# Altium PCB NFC_EEG.PcbDoc (part 3 of 3) (continued)
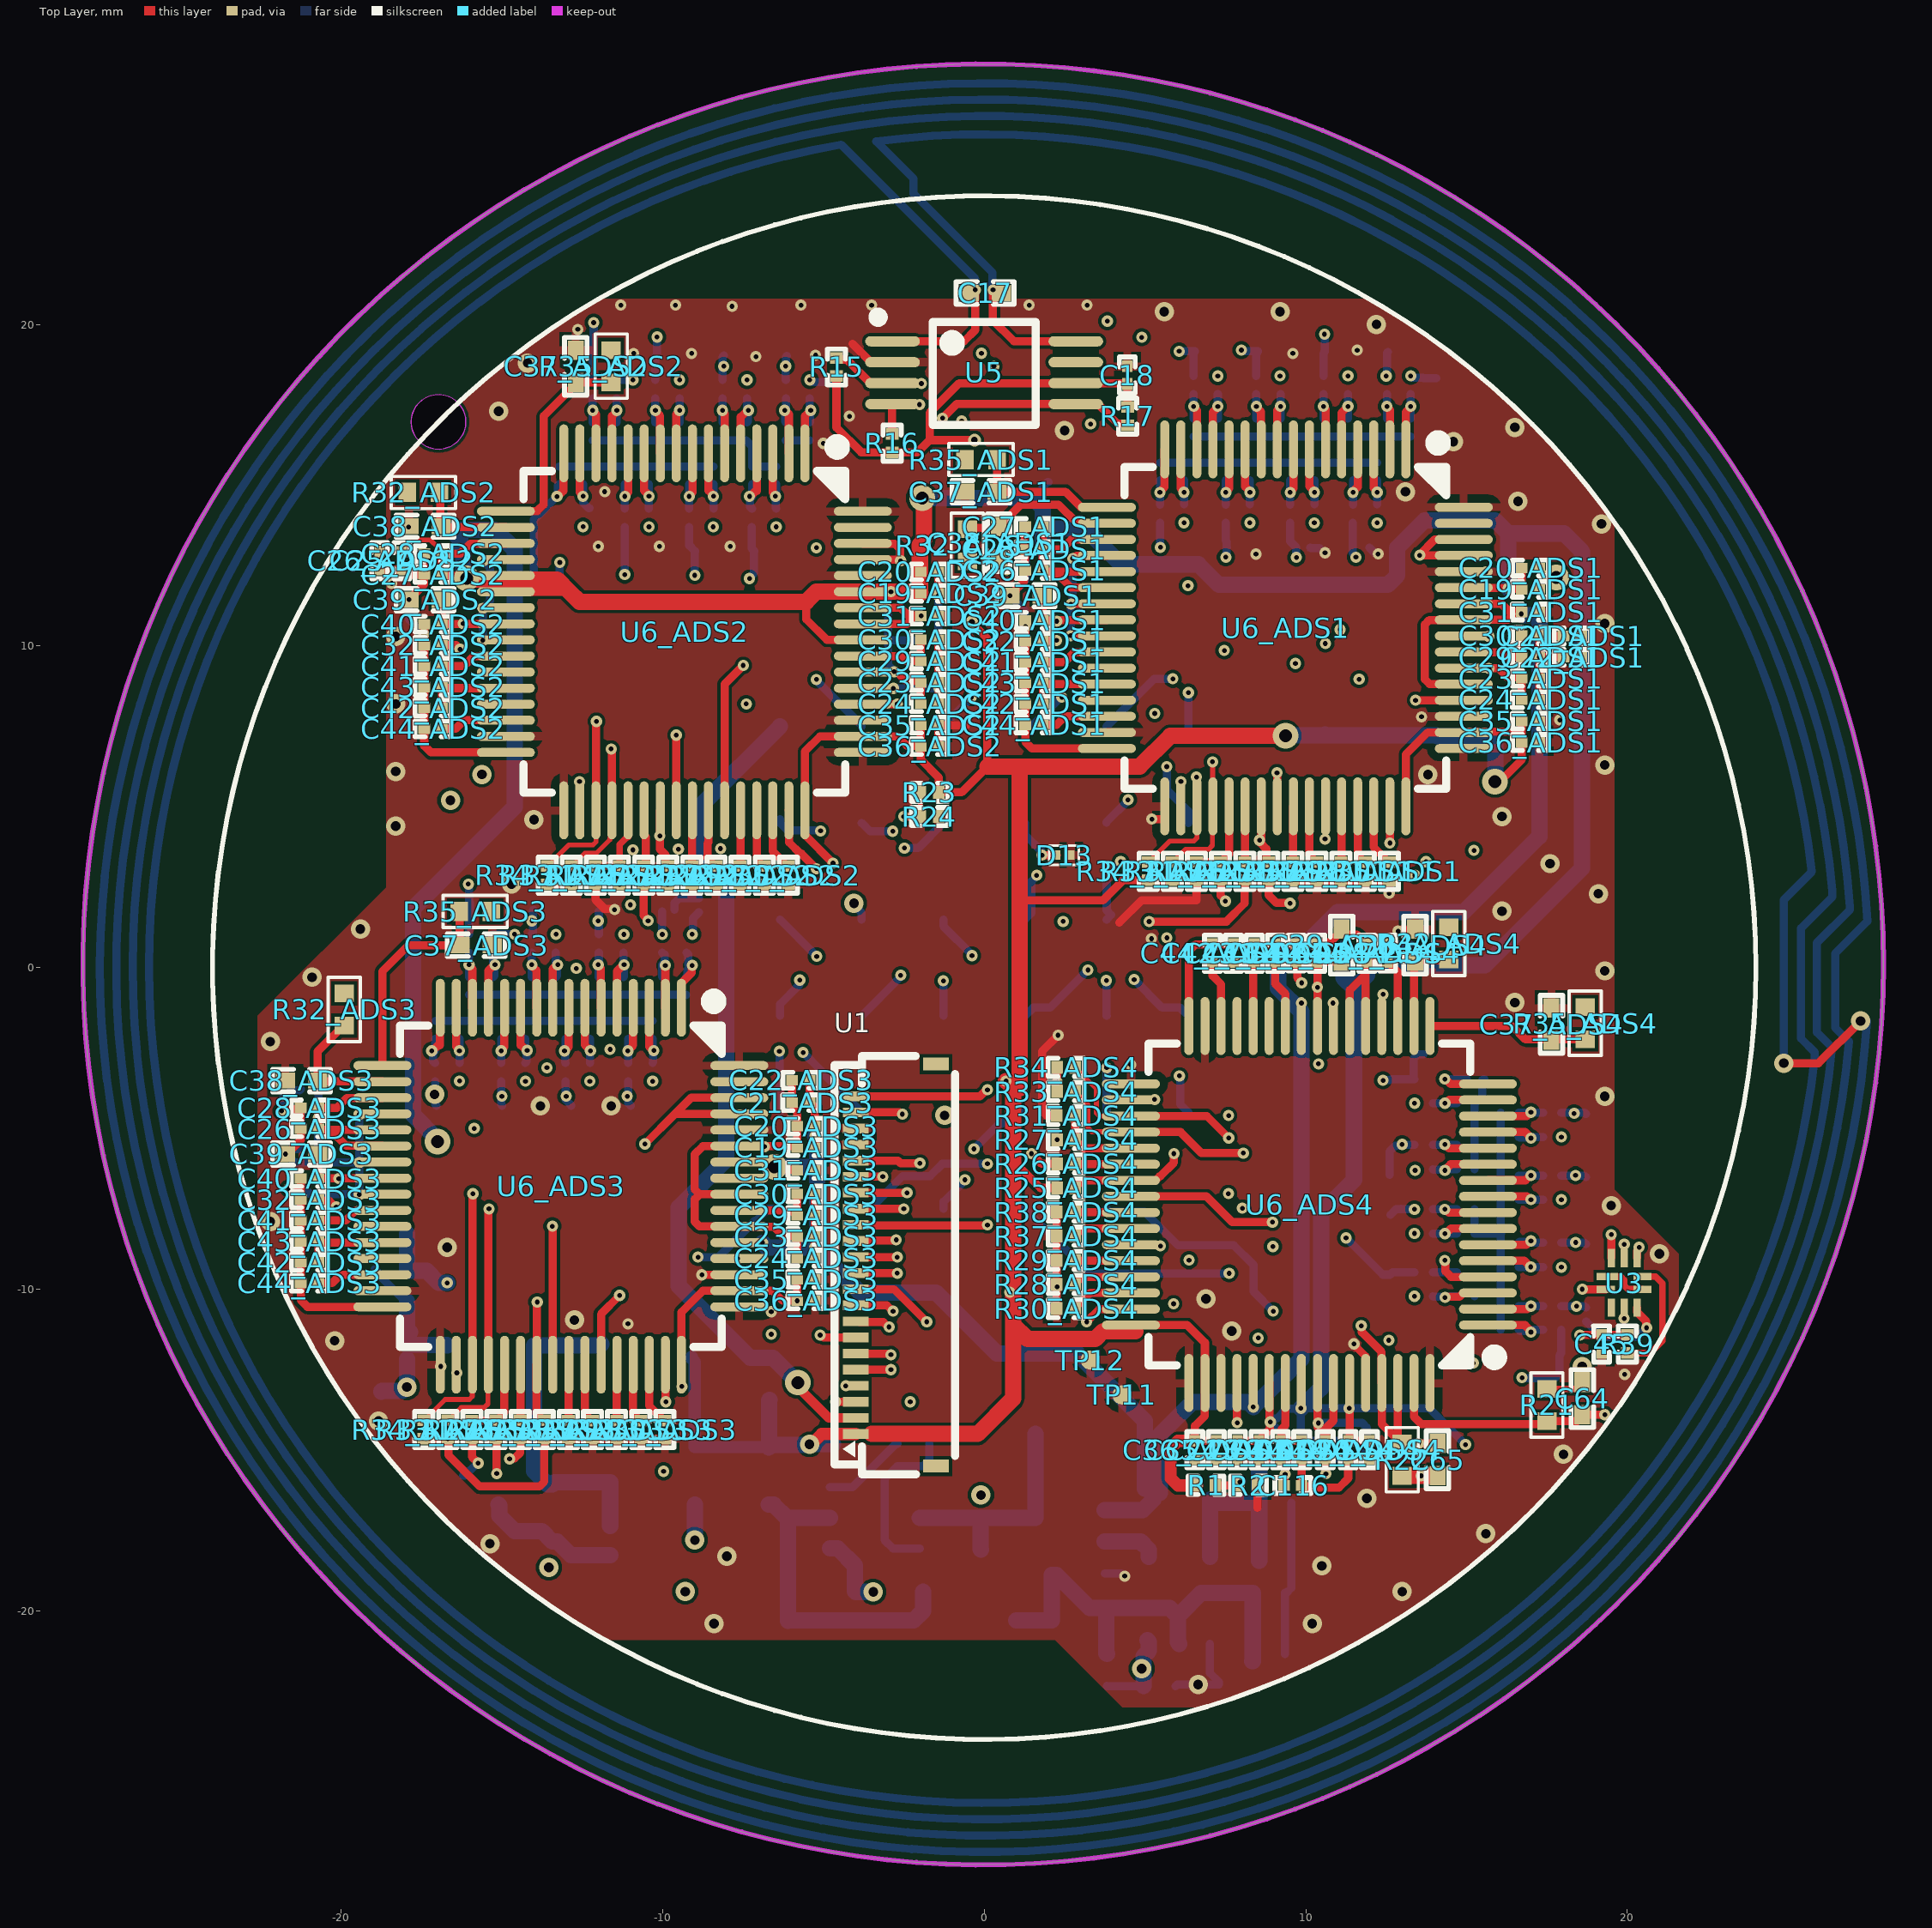
[diagram p0: Top Layer view]
## Nets (pads, with @x,y where several pads share a name; then routed paths per layer and width w, separated by ;. In a path a pad name is that pad's centre, name@x,y a point inside that pad or via, vN(x,y) a via of type N, cw(c..) or ccw(c..) an arc to the next point about the centre after c; other vN are vias at no path point) (continued)
  signal1 w0.254: v1(14.969,-14.831) 15.398,-14.831 17.463,-12.766 17.463,-10.412 19.482,-8.394 19.482,-8.318 v1(19.5,-8.3)
  signal1 w0.508: v3(-17.005,-5.413) -17.9,-6.307 -17.9,-9.6 -13.538,-13.962 v2(-13.538,-18.65)
  signal2 w0.254: v1(-20.71,-4.673) -20.095,-5.289 -17.111,-5.289 -16.435,-5.965 -10.065,-5.965 -9.665,-5.565 v1(-6.835,-5.565) ; v1(15.7,9.3) v1(15.7,10.3) 18.262,10.3 18.568,9.994 v1(18.594,9.994)
  Bottom Layer w0.254: C27_ADS3.1@-20.715,-5.602 -20.711,-5.598 -20.711,-5.015 C33_ADS3.1@-20.707,-5.011 C34_ADS3.1@-20.707,-4.361 -20.705,-4.359 -20.705,-3.781 C25_ADS3.1@-20.702,-3.779 ; C34_ADS2.1@-16.866,12.876 C33_ADS2.1@-16.866,12.226 -16.831,12.191 -16.191,12.191 v3(-16.1,12.1) ; v1@-2.99,11.676 -2.99,10.176 ; v1(-2.8,9.2) -2.8,9.226 -2.99,9.416 -2.99,10.176 ; C22_ADS2.1@-1.974,9.524 C21_ADS2.1@-1.974,10.188 -1.98,10.182 -2.984,10.182 -2.99,10.176 ; v1@1.823,12.35 v1(1.821,12.352) 1.821,14.304 1.821,14.956 1.825,14.956 1.974,15.105 C33_ADS1.1@1.996,15.105 ; v1@1.824,12.35 1.824,13 ; v1(8.9,-14.126) 9.359,-14.585 v1(9.359,-15.753) ; v1@8.926,-14.108 8.944,-14.108 9.032,-14.02 9.099,-14.02 9.401,-13.718 9.832,-13.718 v1(9.85,-13.7) ; C21_ADS4.1@11.362,-14.716 C22_ADS4.1@10.698,-14.716 10.116,-14.716 9.85,-14.45 v1(9.85,-13.7) ; v1(14.969,-14.831) 13.837,-13.7 v1(11.35,-13.7) v1(9.85,-13.7)
  Bottom Layer w0.508: v3(-17.005,-5.413) -17.005,-5.334 -17.761,-4.578 -17.761,1.839 -14.6,5 -14.6,13 -15.209,13.609 -16.598,13.609 -16.3,13.312 -16.3,13 -16.205,12.905 v3@-16.205,12.411 ; TP10.1@-15.101,-16.7 -15.083,-16.717 -15.083,-17.039 -14.602,-17.52 -13.757,-17.52 L4.2@-13.431,-17.846 -13.276,-17.846 -12.856,-18.266 C109.1@-11.631,-18.266 ; v3(-1.933,14.598) 1.527,14.598 1.821,14.304 1.824,14.301 1.824,13.651 ; 1.824,13 1.824,13.651 ; v1(9.85,-13.7) 10.476,-13.074 10.476,-7.624 11.5,-6.6 11.5,-0.642 ; C34_ADS4.1@11.171,0.189 11.171,-0.313 11.5,-0.642 ; v1(16.3,11.8) 16.3,13.5 ; 1.824,13.651 3.149,13.651 4.261,12.539 6.661,12.539 7.3,11.9 12.546,11.9 12.844,12.198 12.844,13.056 13.7,13.912 15.888,13.912 16.3,13.5 ; 11.5,-0.642 11.904,-0.238 11.904,0.079 15.579,0.079 18.594,3.094 18.594,12.939 18.032,13.5 16.3,13.5
AVSS: C19_ADS1.2 C19_ADS2.2 C19_ADS3.2 C19_ADS4.2 C20_ADS1.2 C20_ADS2.2 C20_ADS3.2 C20_ADS4.2 C21_ADS1.2 C21_ADS2.2 C21_ADS3.2 C21_ADS4.2 C22_ADS1.2 C22_ADS2.2 C22_ADS3.2 C22_ADS4.2 C23_ADS1.2 C23_ADS2.2 C23_ADS3.2 C23_ADS4.2 C24_ADS1.2 C24_ADS2.2 C24_ADS3.2 C24_ADS4.2 C25_ADS1.2 C25_ADS2.2 C25_ADS3.2 C25_ADS4.2 C26_ADS1.2 C26_ADS2.2 C26_ADS3.2 C26_ADS4.2 C27_ADS1.2 C27_ADS2.2 C27_ADS3.2 C27_ADS4.2 C28_ADS1.2 C28_ADS2.2 C28_ADS3.2 C28_ADS4.2 C29_ADS1.2 C29_ADS2.2 C29_ADS3.2 C29_ADS4.2 C30_ADS1.2 C30_ADS2.2 C30_ADS3.2 C30_ADS4.2 C31_ADS1.1 C31_ADS2.1 C31_ADS3.1 C31_ADS4.1 C32_ADS1.1 C32_ADS2.1 C32_ADS3.1 C32_ADS4.1 C39_ADS1.2 C39_ADS2.2 C39_ADS3.2 C39_ADS4.2 C40_ADS1.2 C40_ADS2.2 C40_ADS3.2 C40_ADS4.2 C41_ADS1.2 C41_ADS2.2 C41_ADS3.2 C41_ADS4.2 C42_ADS1.2 C42_ADS2.2 C42_ADS3.2 C42_ADS4.2 C43_ADS1.2 C43_ADS2.2 C43_ADS3.2 C43_ADS4.2 C44_ADS1.2 C44_ADS2.2 C44_ADS3.2 C44_ADS4.2 C115.1 C116.2 L5.2 TP15.1 U6_ADS1.20 U6_ADS1.23 U6_ADS1.25 U6_ADS1.32 U6_ADS1.53 U6_ADS1.57 U6_ADS1.58 U6_ADS2.20 U6_ADS2.23 U6_ADS2.25 U6_ADS2.32 U6_ADS2.53 U6_ADS2.57 U6_ADS2.58 U6_ADS3.20 U6_ADS3.23 U6_ADS3.25 U6_ADS3.32 U6_ADS3.53 U6_ADS3.57 U6_ADS3.58 U6_ADS4.20 U6_ADS4.23 U6_ADS4.25 U6_ADS4.32 U6_ADS4.53 U6_ADS4.57 U6_ADS4.58 | length 209.4
  Top Layer w0.254: v1(-21.852,-4.459) -21.826,-4.459 -21.763,-4.396 -21.294,-4.396 C28_ADS3.2@-21.259,-4.361 C26_ADS3.2@-21.259,-5.011 ; v1(-21.732,-5.796) -21.682,-5.796 -21.244,-5.357 C26_ADS3.2@-21.244,-5.026 ; v1(-21.625,-6.866) -21.255,-6.866 ; C40_ADS3.2@-21.255,-6.561 -21.255,-6.866 ; C26_ADS2.2@-18.804,12.381 C25_ADS2.2@-18.109,12.38 ; U6_ADS3.32@-18.716,-10.546 -21.046,-10.546 -21.255,-10.337 C44_ADS3.2@-21.255,-9.811 C43_ADS3.2@-21.255,-8.511 C41_ADS3.2@-21.255,-7.861 -21.255,-6.866 ; C25_ADS2.2@-18.062,12.427 -17.861,12.226 C27_ADS2.2@-17.417,12.226 ; C39_ADS2.2@-17.718,11.564 -17.718,11.614 -17.417,11.915 C27_ADS2.2@-17.417,12.226 ; C28_ADS2.2@-17.417,12.876 -17.416,12.874 -17.417,12.873 C27_ADS2.2@-17.417,12.226 ; C40_ADS2.2@-17.414,10.676 C41_ADS2.2@-17.414,9.376 C43_ADS2.2@-17.414,8.726 C44_ADS2.2@-17.414,7.426 -17.414,6.9 -17.204,6.691 U6_ADS2.32@-14.875,6.691 ; v3@-6.213,-6.286 -6.009,-6.286 ; C22_ADS3.2@-5.426,-3.5 C21_ADS3.2@-5.426,-4.2 -5.403,-4.2 -5.267,-4.337 C20_ADS3.2@-5.267,-4.931 v1@-5.267,-5.234 ; C23_ADS3.2@-5.27,-8.366 C30_ADS3.2@-5.27,-7.041 ; v1(-5.267,-8.704) C23_ADS3.2@-5.267,-8.366 ; C19_ADS3.2@-5.267,-5.595 -5.262,-5.59 -5.262,-5.239 v1(-5.257,-5.234) ; U6_ADS2.57@-3.775,10.691 -2.407,10.691 -2.163,10.934 ; U6_ADS2.58@-3.775,11.191 -2.604,11.191 -2.368,10.954 -2.163,10.954 ; C24_ADS2.2@-1.425,8.207 -1.415,8.218 -1.415,8.686 v1(-1.404,8.697) -1.415,8.707 -1.415,8.861 C23_ADS2.2@-1.425,8.872 C29_ADS2.2@-1.425,9.536 C30_ADS2.2@-1.425,10.2 ; C19_ADS2.2@-1.425,11.642 C20_ADS2.2@-1.425,12.306 ; C39_ADS1.2@0.972,11.688 0.972,11.738 1.239,12.006 1.239,12.317 1.274,12.352 C28_ADS1.2@1.274,12.998 ; C28_ADS1.2@1.272,13 1.274,13.002 1.274,13.71 C27_ADS1.2@1.276,13.712 ; v1@1.279,10.573 1.279,10.153 C32_ADS1.1@1.276,10.15 C41_ADS1.2@1.276,9.5 C43_ADS1.2@1.276,8.85 C44_ADS1.2@1.276,7.55 1.276,7.024 1.485,6.815 U6_ADS1.32@3.815,6.815 ; v1(2.689,10.323) 2.693,10.319 3.811,10.319 U6_ADS1.25@3.815,10.315 ; v1(2.7,11.304) 2.706,11.31 3.81,11.31 U6_ADS1.23@3.815,11.315 ; v1(2.753,12.721) 2.779,12.721 2.867,12.81 3.81,12.81 U6_ADS1.20@3.815,12.815 ; U6_ADS4.32@6.365,-1.815 6.365,0.515 6.574,0.724 C44_ADS4.2@7.1,0.724 C43_ADS4.2@8.4,0.724 C41_ADS4.2@9.05,0.724 C32_ADS4.1@9.7,0.724 ; C24_ADS4.2@7.881,-15.264 C23_ADS4.2@8.545,-15.264 C29_ADS4.2@9.21,-15.264 C30_ADS4.2@9.874,-15.264 ; C32_ADS4.1@9.711,0.735 9.722,0.724 v1@10.018,0.724 ; C30_ADS4.2@9.874,-15.264 C116.2@9.874,-16.1 9.909,-16.135 10.047,-16.135 10.08,-16.168 11.032,-16.168 11.32,-15.88 11.32,-15.268 11.645,-15.268 v1(11.649,-15.272) ; v1(10.018,0.759) 10.035,0.742 C40_ADS4.2@10.332,0.742 ; v1@10.365,-14.283 10.608,-14.526 ; v1@10.365,-14.16 U6_ADS4.57@10.365,-12.915 ; C40_ADS4.2@10.385,0.782 10.745,0.782 11.115,1.151 C39_ADS4.2@11.115,1.201 ; 10.628,-14.526 10.628,-14.322 10.865,-14.085 U6_ADS4.58@10.865,-12.915 ; C39_ADS4.2@11.238,1.028 11.599,1.028 11.843,0.785 11.865,0.785 11.9,0.75 11.9,0.728 11.902,0.726 12.548,0.726 C28_ADS4.2@12.55,0.724 ; U6_ADS1.53@14.915,8.815 14.91,8.82 13.849,8.82 13.7,8.968 13.7,10.666 13.844,10.81 14.91,10.81 U6_ADS1.57@14.915,10.815 16.283,10.815 16.526,11.058 ; U6_ADS1.58@14.915,11.315 16.085,11.315 16.322,11.078 16.526,11.078 ; C24_ADS1.2@17.264,8.331 C23_ADS1.2@17.264,8.995 v1(17.264,9.66) ; C22_ADS1.2@18.016,9.648 18.01,9.654 17.27,9.654 v1(17.264,9.66) ; C21_ADS1.2@18.016,10.312 18.01,10.318 17.27,10.318 C30_ADS1.2@17.264,10.324 v1(17.264,9.66)
  signal1 w0.254: v1(8.369,-13.665) 9.065,-13.665 9.56,-14.16 v1(10.389,-14.16)
  signal2 w0.254: v1(9.866,-1.1) v1(10.85,-1.1) 12.108,-1.1 12.378,-0.83 v1(12.404,-0.83)
  signal2 w0.508: v1(-19.431,-6.061) -18.992,-6.5 -9.1,-6.5 -8.802,-6.202 v3(-6.522,-6.202) ; v1(-17.891,11.441) -17.68,11.231 -15.98,11.231 -15.926,11.176 v1(-15.59,11.176) -13.042,11.176 -12.8,10.934 v1(-1.963,10.934) -1.594,11.304 v1(2.7,11.304) 2.704,11.3 11.7,11.3 11.9,11.1 16.756,11.1 v3(17.79,12.133)
  Bottom Layer w0.254: v1(-21.852,-4.459) -21.834,-4.441 -21.834,-4.085 -21.563,-3.814 -21.286,-3.814 C25_ADS3.2@-21.251,-3.779 ; v1(-21.732,-5.796) v1@-21.706,-5.796 ; v1(-21.625,-6.866) -21.606,-6.885 -21.118,-6.885 -20.964,-7.039 -19.521,-7.039 -19.517,-7.043 -19.449,-7.043 v1(-19.431,-7.061) v1(-19.431,-6.061) ; C27_ADS3.2@-21.264,-5.602 -21.299,-5.637 -21.548,-5.637 v1@-21.706,-5.796 ; v1(-19.431,-4.561) v1(-19.431,-6.061) ; v1(-17.891,11.441) -17.891,10.833 v1(-17.429,10.371) ; v1(-15.59,10.176) v1(-15.59,11.176) -15.361,11.404 -15.361,12.422 -15.569,12.63 v1(-15.569,12.656) ; v1(-2.824,8.683) -2.817,8.69 -1.411,8.69 v1(-1.404,8.697) -1.415,8.707 -1.415,9.514 C22_ADS2.2@-1.425,9.524 C21_ADS2.2@-1.425,10.188 v1@-1.426,11.523 ; v1@-1.444,11.549 v1(-1.426,11.567) ; v1(1.281,10.604) 1.263,10.622 1.263,11.101 v1(0.799,11.565) 1.299,12.066 C25_ADS1.2@1.299,12.672 ; v1(2.689,10.323) 2.695,10.329 v1@2.695,11.295 ; v1@2.753,11.379 v1(2.753,12.721) ; v1(10.389,-14.16) 11.76,-14.16 11.9,-14.3 11.9,-14.995 11.649,-15.246 v1(11.649,-15.272) ; C22_ADS4.2@10.698,-15.264 C21_ADS4.2@11.362,-15.264 ; C25_ADS4.2@12.519,0.726 12.521,0.724 13.249,0.724 C27_ADS4.2@13.251,0.721 ; v1@-21.706,-5.796 -21.441,-6.061 v1(-19.431,-6.061)
  Bottom Layer w0.508: v1(-6.891,-8.555) -6.743,-8.704 v1(-5.267,-8.704) ; v3(-6.522,-6.202) -5.292,-6.202 -5.194,-6.3 ; v1(-5.257,-5.234) -5.194,-5.297 -5.194,-6.3 ; C115.1@3.744,-16.866 4.936,-16.866 L5.2@5.262,-16.54 ; L5.2@5,-16.2 5,-14.1 2.9,-12 0.4,-12 -1.5,-10.1 -3.87,-10.1 v1(-5.267,-8.704) ; TP15.1@5.234,-14.703 TP15.1@5.262,-14.73 ; L5.2@5.462,-16.34 5.462,-14.53 6.489,-13.503 8.208,-13.503 v1(8.369,-13.665) ; v1(8.369,-13.665) 9.866,-12.168 9.866,-1.366 9.139,-0.639 9.139,0.339 9.559,0.759 v1(10.018,0.759) 10.981,1.723 14.905,1.723 17.264,4.082 v1(17.264,9.66) 17.264,10.962 16.738,10.962 v1(16.7,11) ; v1(-5.267,-8.704) -5.194,-8.631 -5.194,-6.3
  other v1: 12.527,0.718
GND: C18.2 C31_ADS1.2 C31_ADS2.2 C31_ADS3.2 C31_ADS4.2 C32_ADS1.2 C32_ADS2.2 C32_ADS3.2 C32_ADS4.2 C33_ADS1.2 C33_ADS2.2 C33_ADS3.2 C33_ADS4.2 C34_ADS1.2 C34_ADS2.2 C34_ADS3.2 C34_ADS4.2 C35_ADS1.2 C35_ADS2.2 C35_ADS3.2 C35_ADS4.2 C36_ADS1.2 C36_ADS2.2 C36_ADS3.2 C36_ADS4.2 C37_ADS1.2 C37_ADS2.2 C37_ADS3.2 C37_ADS4.2 C38_ADS1.2 C38_ADS2.2 C38_ADS3.2 C38_ADS4.2 C45.1 C46_ADS1.1 C46_ADS2.1 C46_ADS3.1 C46_ADS4.1 C47_ADS1.2 C47_ADS2.2 C47_ADS3.2 C47_ADS4.2 C48_ADS1.1 C48_ADS2.1 C48_ADS3.1 C48_ADS4.1 C49_ADS1.2 C49_ADS2.2 C49_ADS3.2 C49_ADS4.2 C50_ADS1.1 C50_ADS2.1 C50_ADS3.1 C50_ADS4.1 C51_ADS1.2 C51_ADS2.2 C51_ADS3.2 C51_ADS4.2 C52_ADS1.1 C52_ADS2.1 C52_ADS3.1 C52_ADS4.1 C53_ADS1.2 C53_ADS2.2 C53_ADS3.2 C53_ADS4.2 C54_ADS1.1 C54_ADS2.1 C54_ADS3.1 C54_ADS4.1 C55_ADS1.2 C55_ADS2.2 C55_ADS3.2 C55_ADS4.2 C56_ADS1.1 C56_ADS2.1 C56_ADS3.1 C56_ADS4.1 C57_ADS1.2 C57_ADS2.2 C57_ADS3.2 C57_ADS4.2 C58_ADS1.1 C58_ADS2.1 C58_ADS3.1 C58_ADS4.1 C59_ADS1.2 C59_ADS2.2 C59_ADS3.2 C59_ADS4.2 C60_ADS1.1 C60_ADS2.1 C60_ADS3.1 C60_ADS4.1 C61_ADS1.2 C61_ADS2.2 C61_ADS3.2 C61_ADS4.2 C96.2 C97.2 C98.2 C99.2 C100.2 C101.2 C102.2 C103.2 C104.2 C105.2 C106.2 C107.2 C108.2 C109.2 C110.2 C111.2 C112.2 C113.2 C114.2 C115.2 C117.1 D4_ADS1.2 D4_ADS2.2 D4_ADS3.2 D4_ADS4.2 D5_ADS1.2 D5_ADS2.2 D5_ADS3.2 D5_ADS4.2 D6_ADS1.2 D6_ADS2.2 D6_ADS3.2 D6_ADS4.2 D7_ADS1.2 D7_ADS2.2 D7_ADS3.2 D7_ADS4.2 D8_ADS1.2 D8_ADS2.2 D8_ADS3.2 D8_ADS4.2 D9_ADS1.2 D9_ADS2.2 D9_ADS3.2 D9_ADS4.2 D10_ADS1.2 D10_ADS2.2 D10_ADS3.2 D10_ADS4.2 D11_ADS1.2 D11_ADS2.2 D11_ADS3.2 D11_ADS4.2 D12_ADS1.2 D12_ADS2.2 D12_ADS3.2 D12_ADS4.2 D13.1 J7.36 R2.1 R4.2 R19.2 R24.1 R28_ADS1.2 R28_ADS2.2 R28_ADS3.2 R28_ADS4.2 R29_ADS1.2 R29_ADS2.2 R29_ADS3.2 R29_ADS4.2 R30_ADS1.2 R30_ADS2.2 R30_ADS3.2 R30_ADS4.2 R31_ADS1.2 R31_ADS2.2 R31_ADS3.2 R31_ADS4.2 R37_ADS1.2 R37_ADS2.2 R37_ADS3.2 R37_ADS4.2 R38_ADS1.2 R38_ADS2.2 R38_ADS3.2 R38_ADS4.2 R58.2 TP5.1 TP6.1 TP11.1 TP12.1 TP16.1 TP17.1 U1.19 U1.20 U3.5 U5.2 U6_ADS1.31 U6_ADS1.33 U6_ADS1.49 U6_ADS1.51 U6_ADS1.60 U6_ADS1.64 U6_ADS2.31 U6_ADS2.33 U6_ADS2.49 U6_ADS2.51 U6_ADS2.60 U6_ADS2.64 U6_ADS3.31 U6_ADS3.33 U6_ADS3.49 U6_ADS3.51 U6_ADS3.60 U6_ADS3.64 U6_ADS4.31 U6_ADS4.33 U6_ADS4.49 U6_ADS4.51 U6_ADS4.60 U6_ADS4.64 U17.1 U18.2 U18.4 U19.1 | length 94.6
  Top Layer w0.254: C32_ADS3.2@-20.707,-7.211 -20.672,-7.246 -20.37,-7.246 -20.174,-7.442 v1(-20.148,-7.442) ; v1(-17.9,13.7) -17.9,13.716 C38_ADS2.2@-17.89,13.726 ; C32_ADS2.2@-16.865,10.026 -16.426,10.026 v1(-16.3,9.9) ; R31_ADS3.2@-15.931,-14.651 -15.931,-15.212 v1(-15.737,-15.406) ; R38_ADS3.2@-12.931,-14.651 R37_ADS3.2@-12.181,-14.651 R29_ADS3.2@-11.431,-14.651 R28_ADS3.2@-10.681,-14.651 R30_ADS3.2@-9.931,-14.651 ; R31_ADS2.2@-12.09,2.586 -12.09,2.11 -11.801,1.822 -11.515,1.822 v1(-11.496,1.804) ; v1(-8.779,-9.552) -8.776,-9.549 -7.619,-9.549 U6_ADS3.51@-7.616,-9.546 ; -4.1,19.4 -3.525,18.825 U5.2@-2.85,18.825 ; C36_ADS2.2@-1.425,6.879 C35_ADS2.2@-1.425,7.543 -0.557,7.543 ; C32_ADS1.2@1.824,10.15 1.837,10.163 2.238,10.163 v1(2.251,10.176) ; R30_ADS4.2@2.26,-10.6 R28_ADS4.2@2.26,-9.85 ; R38_ADS4.2@2.26,-7.6 R37_ADS4.2@2.26,-8.35 R29_ADS4.2@2.26,-9.1 R28_ADS4.2@2.26,-9.85 ; R31_ADS4.2@2.26,-4.6 1.949,-4.6 1.8,-4.451 1.8,-2.6 v1(2.3,-2.1) ; v1(2.267,-9.921) 2.26,-9.914 R28_ADS4.2@2.26,-9.85 ; 4.2,1.4 4.9,2.1 6.6,2.1 R31_ADS1.2@6.6,2.71 ; v1(5.212,4.62) 5.603,4.62 5.615,4.632 U6_ADS1.33@5.615,5.015 ; C36_ADS4.2@6.553,-15.264 C35_ADS4.2@7.217,-15.264 ; 8.5,-16.8 R2.1@8.5,-16.1 ; R38_ADS1.2@9.6,2.71 R37_ADS1.2@10.35,2.71 R29_ADS1.2@11.1,2.71 R28_ADS1.2@11.85,2.71 R30_ADS1.2@12.6,2.71 ; C32_ADS4.2@9.7,0.176 9.735,0.141 9.735,-0.31 9.873,-0.448 v1(9.873,-0.474) ; C31_ADS4.2@10.608,-15.264 10.617,-15.274 10.617,-15.729 v1(10.627,-15.738) ; v1(11.5,-11.7) 11.5,-11.726 11.86,-12.086 11.86,-12.91 U6_ADS4.60@11.865,-12.915 ; v1(12.872,1.137) 12.891,1.155 13.355,1.155 C38_ADS4.2@13.4,1.2 ; U3.5@20.3,-10.569 20.3,-10.709 20.582,-10.99 20.582,-11.182 v1(20.6,-11.2)
  Bottom Layer w0.254: C33_ADS3.2@-21.255,-5.011 C34_ADS3.2@-21.255,-4.361 ; -17.976,12.876 C34_ADS2.2@-17.414,12.876 C33_ADS2.2@-17.414,12.226 ; C60_ADS3.1@-17.066,-1.66 -17.065,-1.658 -10.313,-1.658 C49_ADS3.2@-10.311,-1.657 ; v1(-16.9,-12.4) v1@-16.882,-12.382 ; -16.2,-15.8 -16.157,-15.8 -15.763,-15.406 v1(-15.737,-15.406) ; C58_ADS3.1@-16.016,-0.845 C58_ADS3.1@-16.016,-0.845 -9.268,-0.847 C47_ADS3.2@-9.266,-0.848 ; C60_ADS2.1@-13.225,15.577 C60_ADS2.1@-13.225,15.577 -8.421,15.579 C53_ADS2.2@-8.419,15.581 ; C58_ADS2.1@-12.175,16.392 -12.173,16.391 -7.399,16.391 -7.22,16.212 C48_ADS2.1@-7.22,15.577 C48_ADS2.1@-7.22,15.577 -6.472,15.579 C49_ADS2.2@-6.47,15.581 ; D4_ADS3.2@-9.626,1.804 -9.626,2.014 -9.477,2.163 D12_ADS3.2@-8.869,2.163 ; C46_ADS2.1@-6.175,16.392 -6.173,16.391 -5.427,16.391 C47_ADS2.2@-5.425,16.389 ; C117.1@3.745,-18.842 4.269,-18.842 4.346,-18.919 v1(4.372,-18.919) ; C60_ADS1.1@5.465,15.701 C60_ADS1.1@5.465,15.701 12.218,15.703 C49_ADS1.2@12.22,15.704 ; R58.2@5.952,-22.34 6.002,-22.29 7.302,-22.29 7.302,-22.212 7.02,-21.929 U19.1@7.02,-21.023 ; C58_ADS1.1@6.515,16.516 6.517,16.514 13.263,16.514 C47_ADS1.2@13.265,16.513 ; C101.2@9.352,-21.34 C110.2@9.352,-20.34 C111.2@9.352,-19.44 9.402,-19.44 9.552,-19.29 C113.2@9.552,-18.44 C112.2@9.552,-17.54 C114.2@9.552,-16.64 ; D7_ADS1.2@10.135,13.065 10.135,13.054 10.147,13.042 10.432,13.042 10.574,12.9 v1(10.6,12.9) ; C34_ADS4.2@11.171,0.738 C34_ADS4.2@11.178,0.731 ; 11.985,13.065 11.985,13.054 12.159,12.88 12.233,12.88 v1(12.251,12.862) ; v1@12.854,1.119 v1(12.872,1.137) ; C52_ADS4.1@15.251,-7.515 15.253,-7.517 15.253,-8.269 C53_ADS4.2@15.254,-8.271 16.064,-8.271 ; C49_ADS4.2@15.253,-10.218 C49_ADS4.2@15.254,-10.22 ; C57_ADS4.2@15.254,-6.265 C61_ADS4.2@15.254,-4.215 15.277,-4.215 15.494,-3.998 15.494,-3.5 15.529,-3.465 C60_ADS4.1@15.551,-3.465 ; C47_ADS4.2@16.063,-11.265 16.064,-11.263 16.064,-8.271 ; C58_ADS4.1@16.066,-4.515 16.064,-4.517 16.064,-8.271 ; 16.071,-8.271 16.064,-8.271 ; D4_ADS4.2@18.715,-11.005 18.726,-11.005 19.2,-11.479 20.321,-11.479 v1(20.6,-11.2)
  other v1: 6.929,-15.276 19.917,-12.648 -11.079,-11.075 -6.621,-10.7 4.555,-3.02 5.2,0.9 12.594,2.31 17.9,7.7 13.6,7.8 -18.424,11.946 15.6,12.3 0.704,12.372 8.451,12.859 -12,13.1 -10.1,13.1 -7.9,13.1 -11.8,14.8 -5,16.3 -4.191,17.144 -7.1,19 -5.244,19.044 -10.9,19.1 -9.1,19.1 9.6,19.1 11.6,19.2 -12.637,19.845 -7.84,20.564 -11.3,20.6 -9.6,20.6 -5.7,20.6 -3.5,20.6 1.4,20.6 3.2,20.6
  other v2: 6.652,-22.29 -8.4,-20.4 10.2,-20.4 13,-19.4 10.5,-18.6 -8,-18.3 -15.371,-17.911 15.6,-17.6 11.9,-16.5 18.015,-15.131 -18.836,-14.101 -20.2,-11.6 7.7,-11.3 -12.745,-10.957 6.9,-10.3 21,-8.9 -16.7,-8.7 -22.2,-7.9 19.5,-7.4 -13.8,-4.3 -11.6,-4.3 19.3,-4 -22.2,-2.3 16.501,-1.084 -20.9,-0.3 19.3,-0.1 -19.4,1.2 16.101,1.757 19.1,2.3 -14.7,2.6 17.594,3.235 -18.3,4.4 -14,4.6 16.1,4.7 13.8,6 -18.3,6.1 19.3,6.3 -18.3,8.2 -18.301,10.296 19.3,10.7 19.2,13.8 16.6,14.5 13.1,14.8 14.589,16.352 2.5,16.7 16.5,16.8 -15.1,17.3 -14.2,18.8 12.2,20 5.6,20.4 9.2,20.4
I2C_SCL: R15.2 U1.22 U5.3 | length 32
  Top Layer w0.254: R15.2@-4.594,18.961 -4.541,18.908 -4.273,18.908 -3.54,18.175 U5.3@-2.85,18.175 -2.844,18.169 -1.958,18.169 v1(-1.953,18.163) ; U1.22@-3.9,-4 -0.126,-4 0.074,-3.8 v1(0.1,-3.8)
  signal1 w0.254: v1(-1.953,18.163) -0.063,18.163 1.3,16.8 1.3,11.3 0.7,10.7 0.7,-2.5 0.1,-3.1 v1(0.1,-3.8)
I2C_SDA: R17.2 U1.21 U5.5 | length 30.1
  Top Layer w0.254: U1.21@-3.9,-4.5 -2.626,-4.5 -2.57,-4.556 v1(-2.544,-4.556) ; v1(-1.294,17.086) -0.856,17.525 U5.5@2.85,17.525 3.54,17.525 4.15,16.915 4.406,16.915 R17.2@4.459,16.862
  signal1 w0.254: v1(-2.544,-4.556) -2,-4.011 -2,9.4 -2.4,9.8 -2.4,11.6 -1.9,12.1 -1.9,13 -1.294,13.606 v1(-1.294,17.086) v1@-1.294,17.089
IO17: R16.2 U1.17 U5.4 | length 29.9
  Top Layer w0.254: U1.17@-4,-6.5 v1(-3.153,-6.5) ; R16.2@-2.861,16.594 -2.861,17.514 U5.4@-2.85,17.525 -2.842,17.517 -2.017,17.517 v1(-2.01,17.51)
  signal1 w0.254: v1(-3.153,-6.5) -1.8,-5.147 -1.8,-4.4 -0.813,-3.413 -0.813,-3.213 0.183,-2.217 0.183,16.983 -0.335,17.5 -2,17.5 v1(-2.01,17.51)
LM2664_OUT: C99.1 C100.1 L2.1 TP2.1 U17.2 | length 9
  Bottom Layer w0.508: TP2.1@-0.1,-18.1 -0.118,-18.082 -0.118,-17.192 -0.2,-17.11 U17.2@-2,-17.11 1.6,-17.11 C100.1@1.6,-15.4 C99.1@1.6,-14.5
LM2664_V+: C96.1 C98.1 L1.2 R18.2 TP1.1 U17.5 | length 10.2
  Bottom Layer w0.508: L1.2@-6.7,-16.7 -6.545,-16.7 L1.2@-6.135,-17.11 ; U17.5@-4.8,-17.11 L1.2@-6.135,-17.11 ; R18.2@-1.9,-19.41 -1.9,-20.002 -2.198,-20.3 -6.09,-20.3 TP1.1@-6.1,-20.31 C98.1@-6.1,-19.31 -6.1,-17.145 L1.2@-6.135,-17.11
NetC37_ADS1_1: C37_ADS1.1 R35_ADS1.1 U6_ADS1.17 | length 4.6
  Top Layer w0.254: R35_ADS1.1@0.4,15.8 C37_ADS1.1@0.4,14.8 2.524,14.8 3.005,14.32 3.81,14.32 U6_ADS1.17@3.815,14.315
NetC37_ADS2_1: C37_ADS2.1 R35_ADS2.1 U6_ADS2.17 | length 6.6
  Top Layer w0.254: U6_ADS2.17@-14.875,14.191 -14.87,14.196 -13.904,14.196 -13.7,14.4 -13.7,17.15 -12.7,18.15 C37_ADS2.1@-12.7,18.2 R35_ADS2.1@-11.6,18.2
NetC37_ADS3_1: C37_ADS3.1 R35_ADS3.1 U6_ADS3.17 | length 6.7
  Top Layer w0.254: U6_ADS3.17@-18.716,-3.046 -18.716,-0.116 -17.9,0.7 C37_ADS3.1@-16.3,0.7 -16.315,0.715 -16.315,1.735 R35_ADS3.1@-16.33,1.75
NetC37_ADS4_1: C37_ADS4.1 R35_ADS4.1 U6_ADS4.17 | length 5
  Top Layer w0.254: U6_ADS4.17@13.865,-1.815 16.415,-1.815 16.83,-2.23 R35_ADS4.1@18.69,-2.23
NetC38_ADS1_1: C38_ADS1.1 R32_ADS1.1 U6_ADS1.18 | length 4.9
  Top Layer w0.254: R32_ADS1.1@-0.525,13.633 -0.487,13.671 0.415,13.671 C38_ADS1.1@0.453,13.709 0.453,13.759 0.576,13.882 0.626,13.882 1.144,14.4 2.31,14.4 2.9,13.81 3.81,13.81 U6_ADS1.18@3.815,13.815
NetC38_ADS2_1: C38_ADS2.1 R32_ADS2.1 U6_ADS2.18 | length 3.1
  Top Layer w0.254: R32_ADS2.1@-16.94,14.776 -16.915,14.751 -16.915,13.751 C38_ADS2.1@-16.89,13.726 -16.859,13.696 -14.88,13.696 U6_ADS2.18@-14.875,13.691
NetC38_ADS3_1: C38_ADS3.1 R32_ADS3.1 U6_ADS3.18 | length 4.1
  Top Layer w0.254: R32_ADS3.1@-19.9,-1.8 -19.925,-1.8 -20.731,-2.606 C38_ADS3.1@-20.731,-3.511 -20.701,-3.541 -18.721,-3.541 U6_ADS3.18@-18.716,-3.546
NetC38_ADS4_1: C38_ADS4.1 R32_ADS4.1 U6_ADS4.18 | length 3.1
  Top Layer w0.254: U6_ADS4.18@13.365,-1.815 13.37,-1.81 13.37,0.17 C38_ADS4.1@13.4,0.2 13.425,0.225 14.425,0.225 R32_ADS4.1@14.45,0.25
NetC65_2: C65.2 R22.1 U3.2 | length 11
  Top Layer w0.254: v1(18.6,-10) U3.2@19.332,-10
  Top Layer w0.508: R22.1@13,-15.8 v1(13.588,-15.8) C65.2@14.1,-15.8
  signal1 w0.254: v1(13.588,-15.8) 15.5,-15.8 17.9,-13.4 17.9,-10.479 18.36,-10.018 18.582,-10.018 v1(18.6,-10)
NetC95_1: C95.1 U17.6 | length 2.7
  Bottom Layer w0.254: U17.6@-4.8,-16.16 -4.1,-16.16 -2.75,-14.81 C95.1@-2.7,-14.81
NetC95_2: C95.2 U17.3 | length 5.2
  Bottom Layer w0.254: U17.3@-2,-18.06 -2.84,-18.06 -3.1,-17.8 -3.1,-15.9 -2.7,-15.5 -1.9,-15.5 -1.7,-15.3 C95.2@-1.7,-14.81
NetC117_2: C117.2 U19.4 | length 1.7
  Bottom Layer w0.508: C117.2@3.745,-17.842 4.864,-17.842 5.12,-18.098 U19.4@5.12,-18.323
NetR39_1: R39.1 U3.7 | length 3.7
  Top Layer w0.203: R39.1@20,-11.985 20.715,-11.985 21.089,-11.611 21.089,-9.819 20.879,-9.608 20.477,-9.608 U3.7@20.469,-9.6
NetU6_ADS1_63: U6_ADS1.63
NetU6_ADS2_63: U6_ADS2.63
NetU6_ADS3_63: U6_ADS3.63
OUT_5V: J7.1 U1.2 | length 26.6
  Top Layer w0.3: v3@-5.896,-12.996 v3(-5.8,-12.9) ; v3@-5.8,-13.035 -4.835,-14 U1.2@-4,-14
  Bottom Layer w0.508: J7.1@-6.35,7.5 -8.8,5.05 -8.8,3.143 -8.028,2.371 -8.028,-5.981 -9.5,-7.452 -9.5,-9.906 -7.279,-12.128 -6.572,-12.128 v3(-5.8,-12.9)
PD_CTL: R3.1 R4.1 R18.1 R19.1 R57.1 R58.1 U1.18 U17.4 U18.3 U19.3 | length 52
  Top Layer w0.254: U1.18@-4,-6 -2.683,-6 -2.603,-6.08 v1(-2,-6.08)
  signal1 w0.254: v1(-16.7,-9.8) -15.822,-9.8 -11.996,-13.627 -11.996,-16.704 v2(-9.3,-19.4) ; v2(-3.45,-19.41) -3.45,-13.85 -2.3,-12.7 -2.3,-8.1 -1.9,-7.7 -1.9,-6.206 -2,-6.106 v1(-2,-6.08)
  signal2 w0.254: v2@-9.3,-19.41 v2(-3.45,-19.41) 2.51,-19.41 v2(4.9,-21.8)
  Bottom Layer w0.254: R57.1@3.82,-22.338 3.821,-22.339 4.951,-22.339 R58.1@4.952,-22.34
  Bottom Layer w0.508: R4.1@-17.95,-8.28 R3.1@-17.95,-9.38 -17.95,-9.405 -17.929,-9.426 -17.339,-9.426 -16.965,-9.8 v1(-16.7,-9.8) ; U17.4@-4.8,-18.06 -4.55,-18.06 -4.021,-18.589 -4.021,-19.389 R19.1@-4,-19.41 v2(-3.45,-19.41) ; R58.1@4.952,-22.34 4.952,-21.416 5.12,-21.248 U19.3@5.12,-21.023 5.12,-20.961 U19.3@5.074,-20.915
Switch_CTL: U3.1 U3.6 | length 1.3
  Top Layer w0.203: U3.1@19.381,-9.6 19.392,-9.611 19.792,-9.611 19.9,-9.719 19.9,-9.881 20.008,-9.989 20.458,-9.989 U3.6@20.469,-10
TLV70025_VIN: C103.1 C104.1 C105.1 L3.2 R3.2 TP7.1 U18.1 | length 18.6
  signal2 w0.508: v2(-17.953,-13.041) -17.953,-14.226 -14.379,-17.8 v2(-9,-17.8)
  Bottom Layer w0.254: R3.2@-18.95,-9.38 -18.802,-9.528 -18.802,-9.578 -18,-10.38 C104.1@-17.95,-10.38
  Bottom Layer w0.508: TP7.1@-18.75,-13.18 -18.732,-13.162 -18.099,-13.162 -17.978,-13.041 v2(-17.953,-13.041) -17.951,-13.04 -17.951,-12.181 C105.1@-17.95,-12.18 ; C104.1@-17.95,-10.38 C103.1@-17.95,-11.28 ; C103.1@-17.858,-11.33 -17.908,-11.28 C103.1@-17.95,-11.28 ; U18.1@-16.7,-11.74 -16.71,-11.73 -17.95,-11.73 C103.1@-17.95,-11.28 ; v2(-9,-17.8) L3.2@-9,-16.69
pads on no net: U1.23 U1.24 U3.3 U5.7 U6_ADS1.27 U6_ADS1.29 U6_ADS2.27 U6_ADS2.29 U6_ADS3.27 U6_ADS3.29 U6_ADS4.27 U6_ADS4.29

## Polygon pours and split planes (outlines as drawn)
GND on Top Layer "GND_L01_P001" (solid, remove dead copper, pour order 1): -24.003,0 ccw(c0,0) 0,-24.003 ccw(c0,0) 24.003,0 ccw(c0,0) 0,24.003 ccw(c0,0)
GND on signal1 "GND_L02_P000" (solid, remove dead copper, pour order 0): -24.003,0 ccw(c0,0) 0,-24.003 ccw(c0,0) 24.003,0 ccw(c0,0) 0,24.003 ccw(c0,0)
GND on signal2 "GND_L03_P003" (solid, remove dead copper, pour order 3): -24.003,0 ccw(c0,0) 0,-24.003 ccw(c0,0) 24.003,0 ccw(c0,0) 0,24.003 ccw(c0,0)
GND on Bottom Layer "GND_L04_P002" (solid, remove dead copper, pour order 2): -24.003,0 ccw(c0,0) 0,-24.003 ccw(c0,0) 24.003,0 ccw(c0,0) 0,24.003 ccw(c0,0)

## Keep-outs
Keep-Out Layer:
  circle w0.013: c-16.971,16.971 r0.85
  circle w0.152: c-0.032,0.1 r28

## Other copper
Top Layer:
  pour cut-out: 3.7,-23.4 4.1,-23 7.1,-23 7.3,-23.2 6.7,-23.8 4.6,-23.8
  pour cut-out: -12.7,-20.9 2.2,-20.9 4.803,-23.504 5.2,-23.9 4.6,-24.5 -9.1,-24.5 -10.9,-22.7
  pour cut-out: -23.017,-8.817 -22.6,-8.4 -22.6,-1.5 -18.6,2.5 -18.6,15.2 -25.1,8.7 -25.1,1.6
  pour cut-out: -13.2,20.8 13,20.8 13.4,21.2 10.1,24.5 -9.1,24.5 -10.2,23.4
  pour cut-out: 21.6,-11.3 21.6,-8.9 19.6,-6.9 19.6,14.4 20.2,15 24.5,10.7 24.5,-6.5 24.6,-6.6
signal1:
  pour cut-out: 3.7,-23.4 4.1,-23 7.1,-23 7.3,-23.2 6.7,-23.8 4.6,-23.8
  pour cut-out: -12.7,-20.9 2.2,-20.9 5.2,-23.9 4.6,-24.5 -9.1,-24.5 -10.9,-22.7
  pour cut-out: -23.017,-8.817 -22.6,-8.4 -22.6,-1.5 -18.6,2.5 -18.6,15.2 -25.1,8.7 -25.1,1.6
  pour cut-out: -13.2,20.8 13,20.8 13.4,21.2 10.1,24.5 -9.1,24.5 -10.2,23.4
  pour cut-out: 21.6,-11.3 21.6,-8.9 19.6,-6.9 19.6,14.4 20.2,15 24.5,10.7 24.5,-6.5 24.6,-6.6
signal2:
  pour cut-out: 3.7,-23.4 4.1,-23 7.1,-23 7.3,-23.2 6.7,-23.8 4.6,-23.8
  pour cut-out: -12.7,-20.9 2.2,-20.9 5.2,-23.9 4.6,-24.5 -9.1,-24.5 -10.9,-22.7
  pour cut-out: -23.017,-8.817 -22.6,-8.4 -22.6,-1.5 -18.6,2.5 -18.6,15.2 -25.1,8.7 -25.1,1.6
  pour cut-out: -13.2,20.8 13,20.8 13.4,21.2 10.1,24.5 -9.1,24.5 -10.2,23.4
  pour cut-out: 21.6,-11.3 21.6,-8.9 19.6,-6.9 19.6,14.4 20.2,15 24.5,10.7 24.5,-6.5 24.6,-6.6
Bottom Layer:
  pour cut-out: 3.7,-23.4 4.1,-23 7.1,-23 7.3,-23.2 6.7,-23.8 4.6,-23.8
  pour cut-out: -12.7,-20.9 2.2,-20.9 5.2,-23.9 4.6,-24.5 -9.1,-24.5 -10.9,-22.7
  pour cut-out: -23.017,-8.817 -22.6,-8.4 -22.6,-1.5 -18.6,2.5 -18.6,15.2 -25.1,8.7 -25.1,1.6
  pour cut-out: -13.2,20.8 13,20.8 13.4,21.2 10.1,24.5 -9.1,24.5 -10.2,23.4
  pour cut-out: 21.6,-11.3 21.6,-8.9 19.6,-6.9 19.6,14.4 20.2,15 24.5,10.7 24.5,-6.5 24.6,-6.6

## Silkscreen, mask and mechanical layers (free items; w line width, h text height)
Top Overlay:
  circle w0.152: c0,0 r24
Mechanical 1:
  circle w0.013: c0,0 r24
  circle w0.013: c-16.971,16.971 r1.5
  circle w0.013: c0,0 r28
  circle w0.006: c23.999,0.244 r0.003
  circle w0.006: c-17.304,18.433 r0.003
  circle w0.006: c-16.637,15.508 r0.003
  lines w0.013: 19.079,20.493 ccw(c0,0) 20.493,19.079 ; 23.656,7.403 23.999,0.244 23.802,-6.92 24.302,-6.895 24.499,0.249 24.156,7.388 23.656,7.403
Mechanical 3:
  drawing of 102 lines, arcs and shapes, not listed

## Text inside footprints (layer, text, board x,y; h text height)
J7: Bottom Assembly "1" at -5.08,6.992 h0.64; Bottom Assembly "36" at 7.62,-8.516 h0.64; Bottom Assembly "2" at -2.54,6.992 h0.64; Bottom Assembly "3" at 0,6.992 h0.64; Bottom Assembly "4" at 2.54,6.992 h0.64; Bottom Assembly "5" at 5.08,6.992 h0.64; Bottom Assembly "6" at 7.62,6.992 h0.64; Bottom Assembly "7" at -5.08,3.992 h0.64; Bottom Assembly "8" at -2.54,3.992 h0.64; Bottom Assembly "9" at 0,3.992 h0.64; Bottom Assembly "10" at 2.54,3.484 h0.64; Bottom Assembly "12" at 7.62,3.484 h0.64; Bottom Assembly "13" at -5.08,0.484 h0.64; Bottom Assembly "14" at -2.54,0.484 h0.64; Bottom Assembly "15" at 0,0.484 h0.64; Bottom Assembly "16" at 2.54,0.484 h0.64; Bottom Assembly "17" at 5.08,0.484 h0.64; Bottom Assembly "18" at 7.62,0.484 h0.64; Bottom Assembly "19" at -5.08,-2.516 h0.64; Bottom Assembly "20" at -2.54,-2.516 h0.64; Bottom Assembly "21" at 0,-2.516 h0.64; Bottom Assembly "22" at 2.54,-2.516 h0.64; Bottom Assembly "23" at 5.08,-2.516 h0.64; Bottom Assembly "24" at 7.62,-2.516 h0.64; Bottom Assembly "25" at -5.08,-5.516 h0.64; Bottom Assembly "26" at -2.54,-5.516 h0.64; Bottom Assembly "27" at 0,-5.516 h0.64; Bottom Assembly "28" at 2.54,-5.516 h0.64; Bottom Assembly "29" at 5.08,-5.516 h0.64; Bottom Assembly "30" at 7.62,-5.516 h0.64; Bottom Assembly "31" at -5.08,-8.516 h0.64; Bottom Assembly "32" at -2.54,-8.516 h0.64; Bottom Assembly "33" at 0,-8.516 h0.64; Bottom Assembly "34" at 2.54,-8.516 h0.64; Bottom Assembly "35" at 5.08,-8.516 h0.64; Bottom Assembly "11" at 5.08,3.484 h0.64